# Altium PCB PCB1.PcbDoc
Units mil, origin at the board's own origin, x right, y up, seen from the top; angles counter-clockwise.
Board outline 7505 x 5155 mil, 2 copper layers (Top Layer, Bottom Layer); 249 components, 217 nets, 881 pads, 0 vias.
Unrouted connection lines stored in the file: 624.
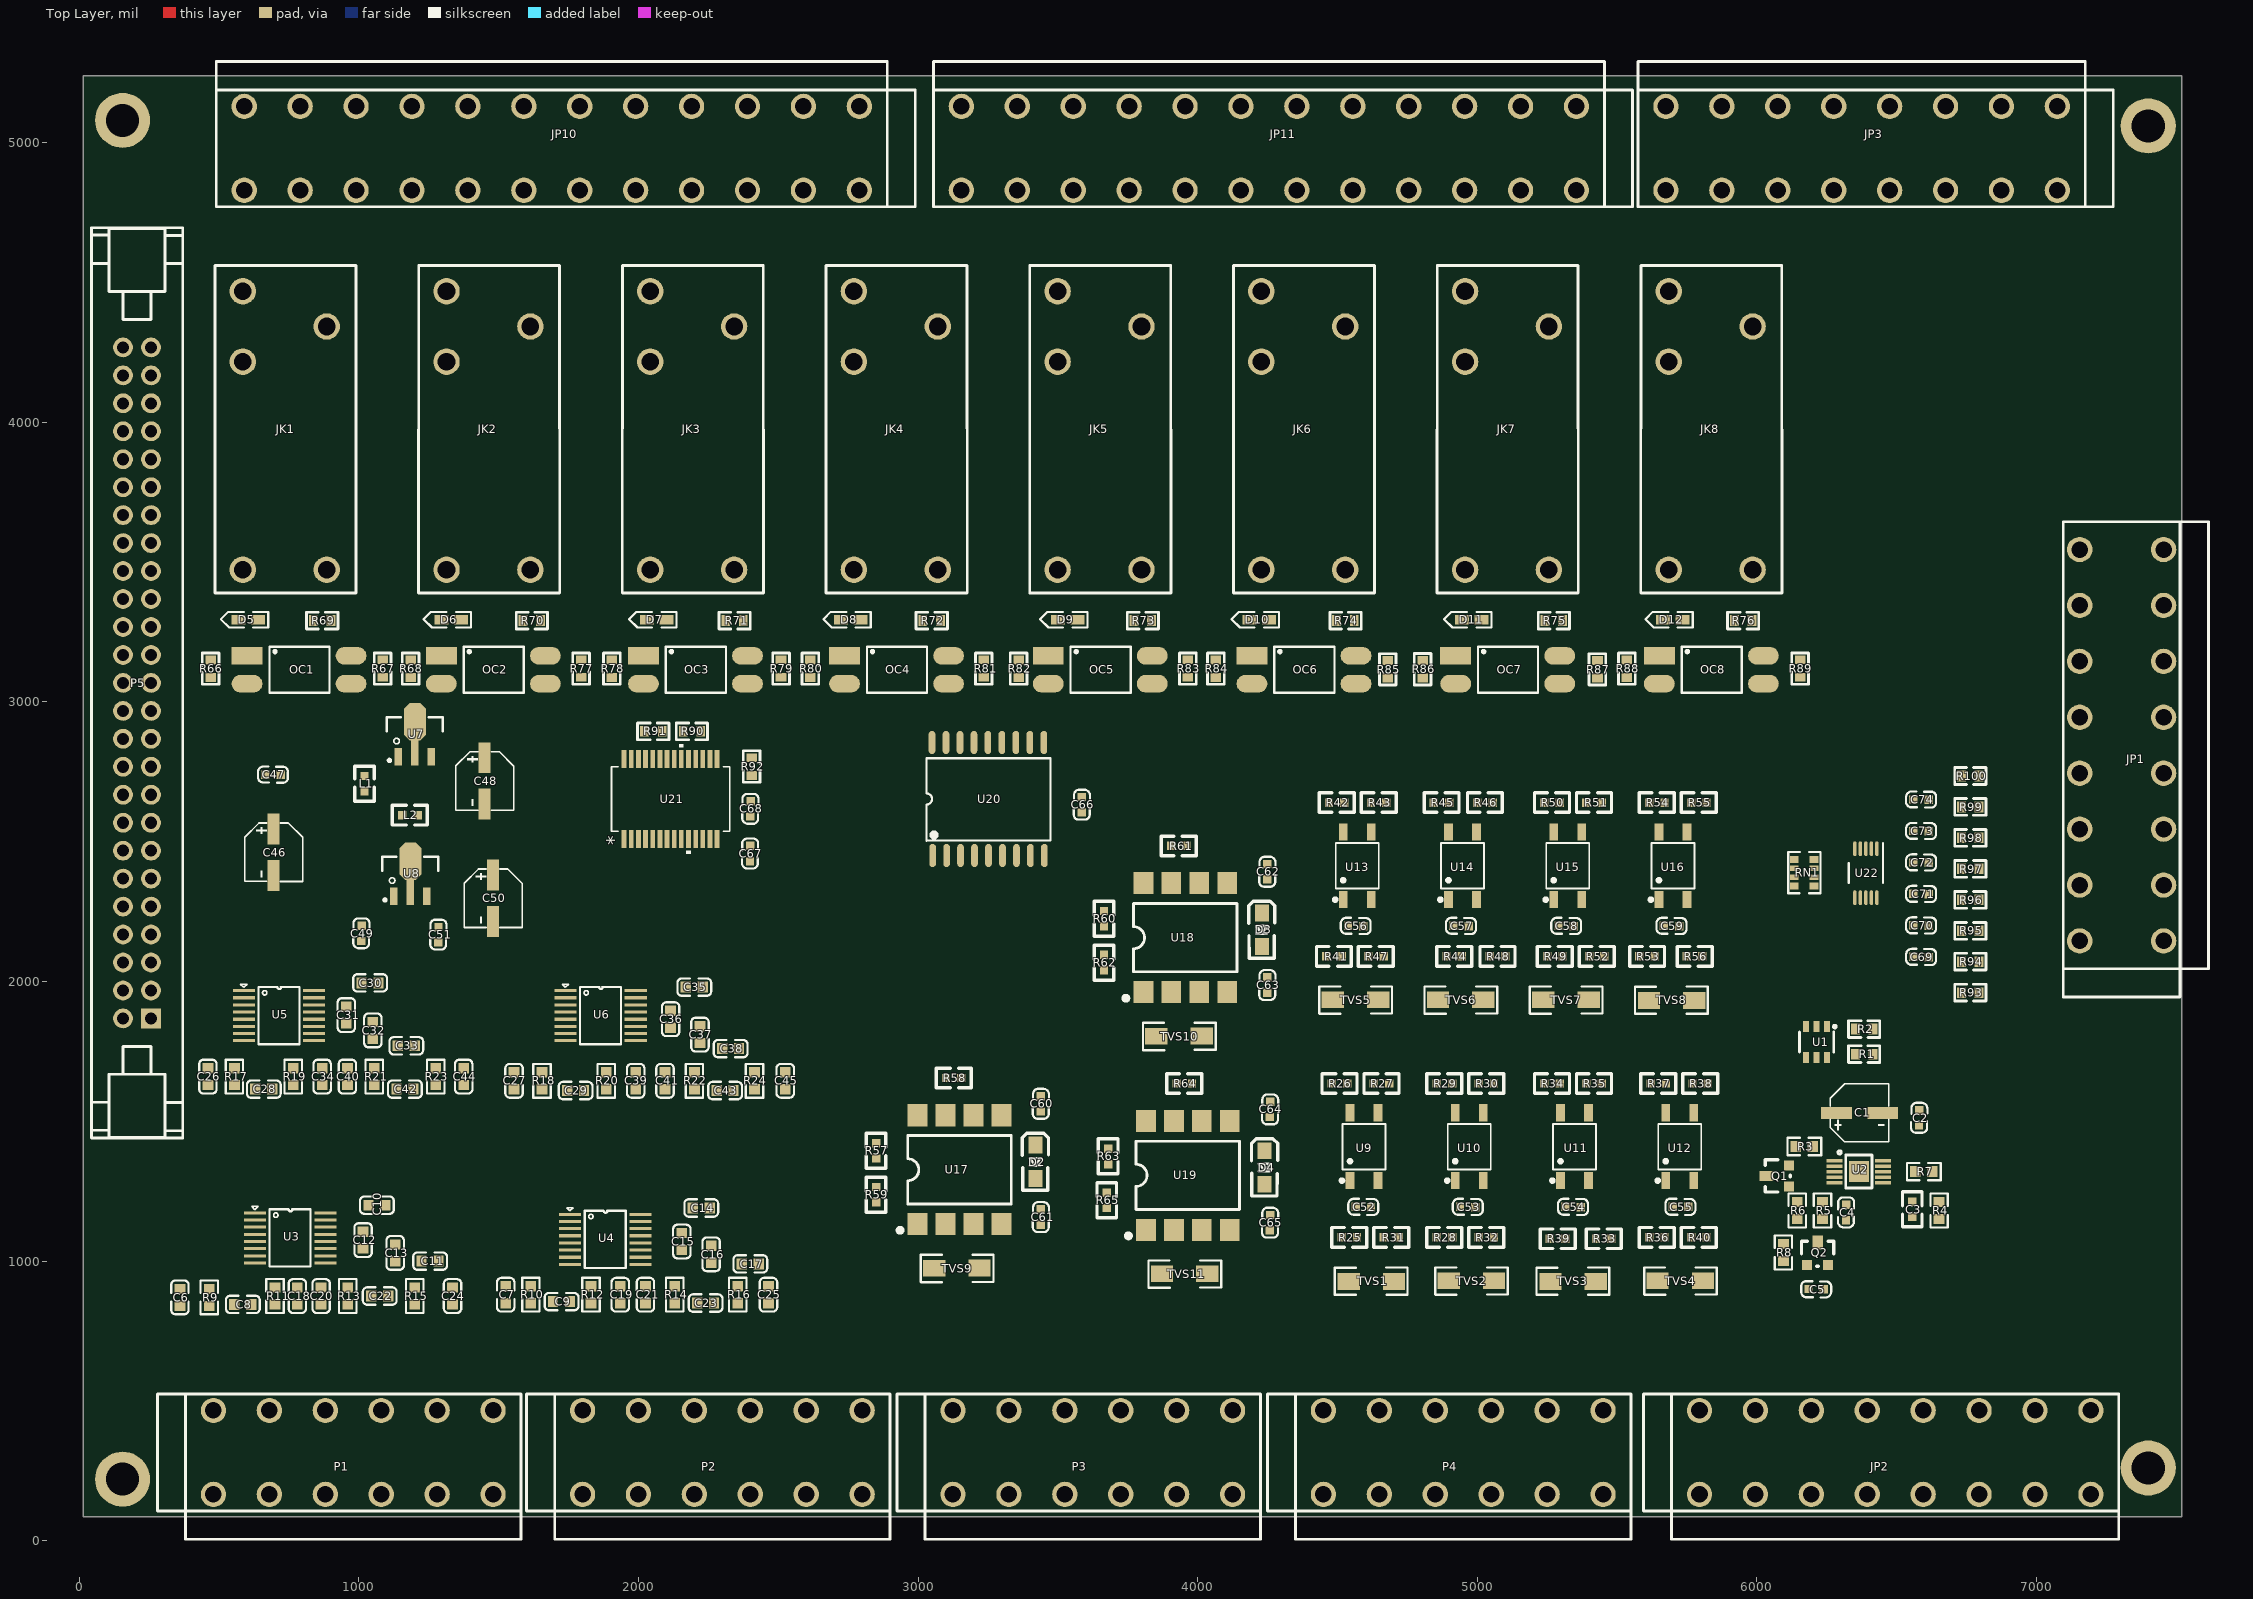
[diagram p0: Top Layer view]
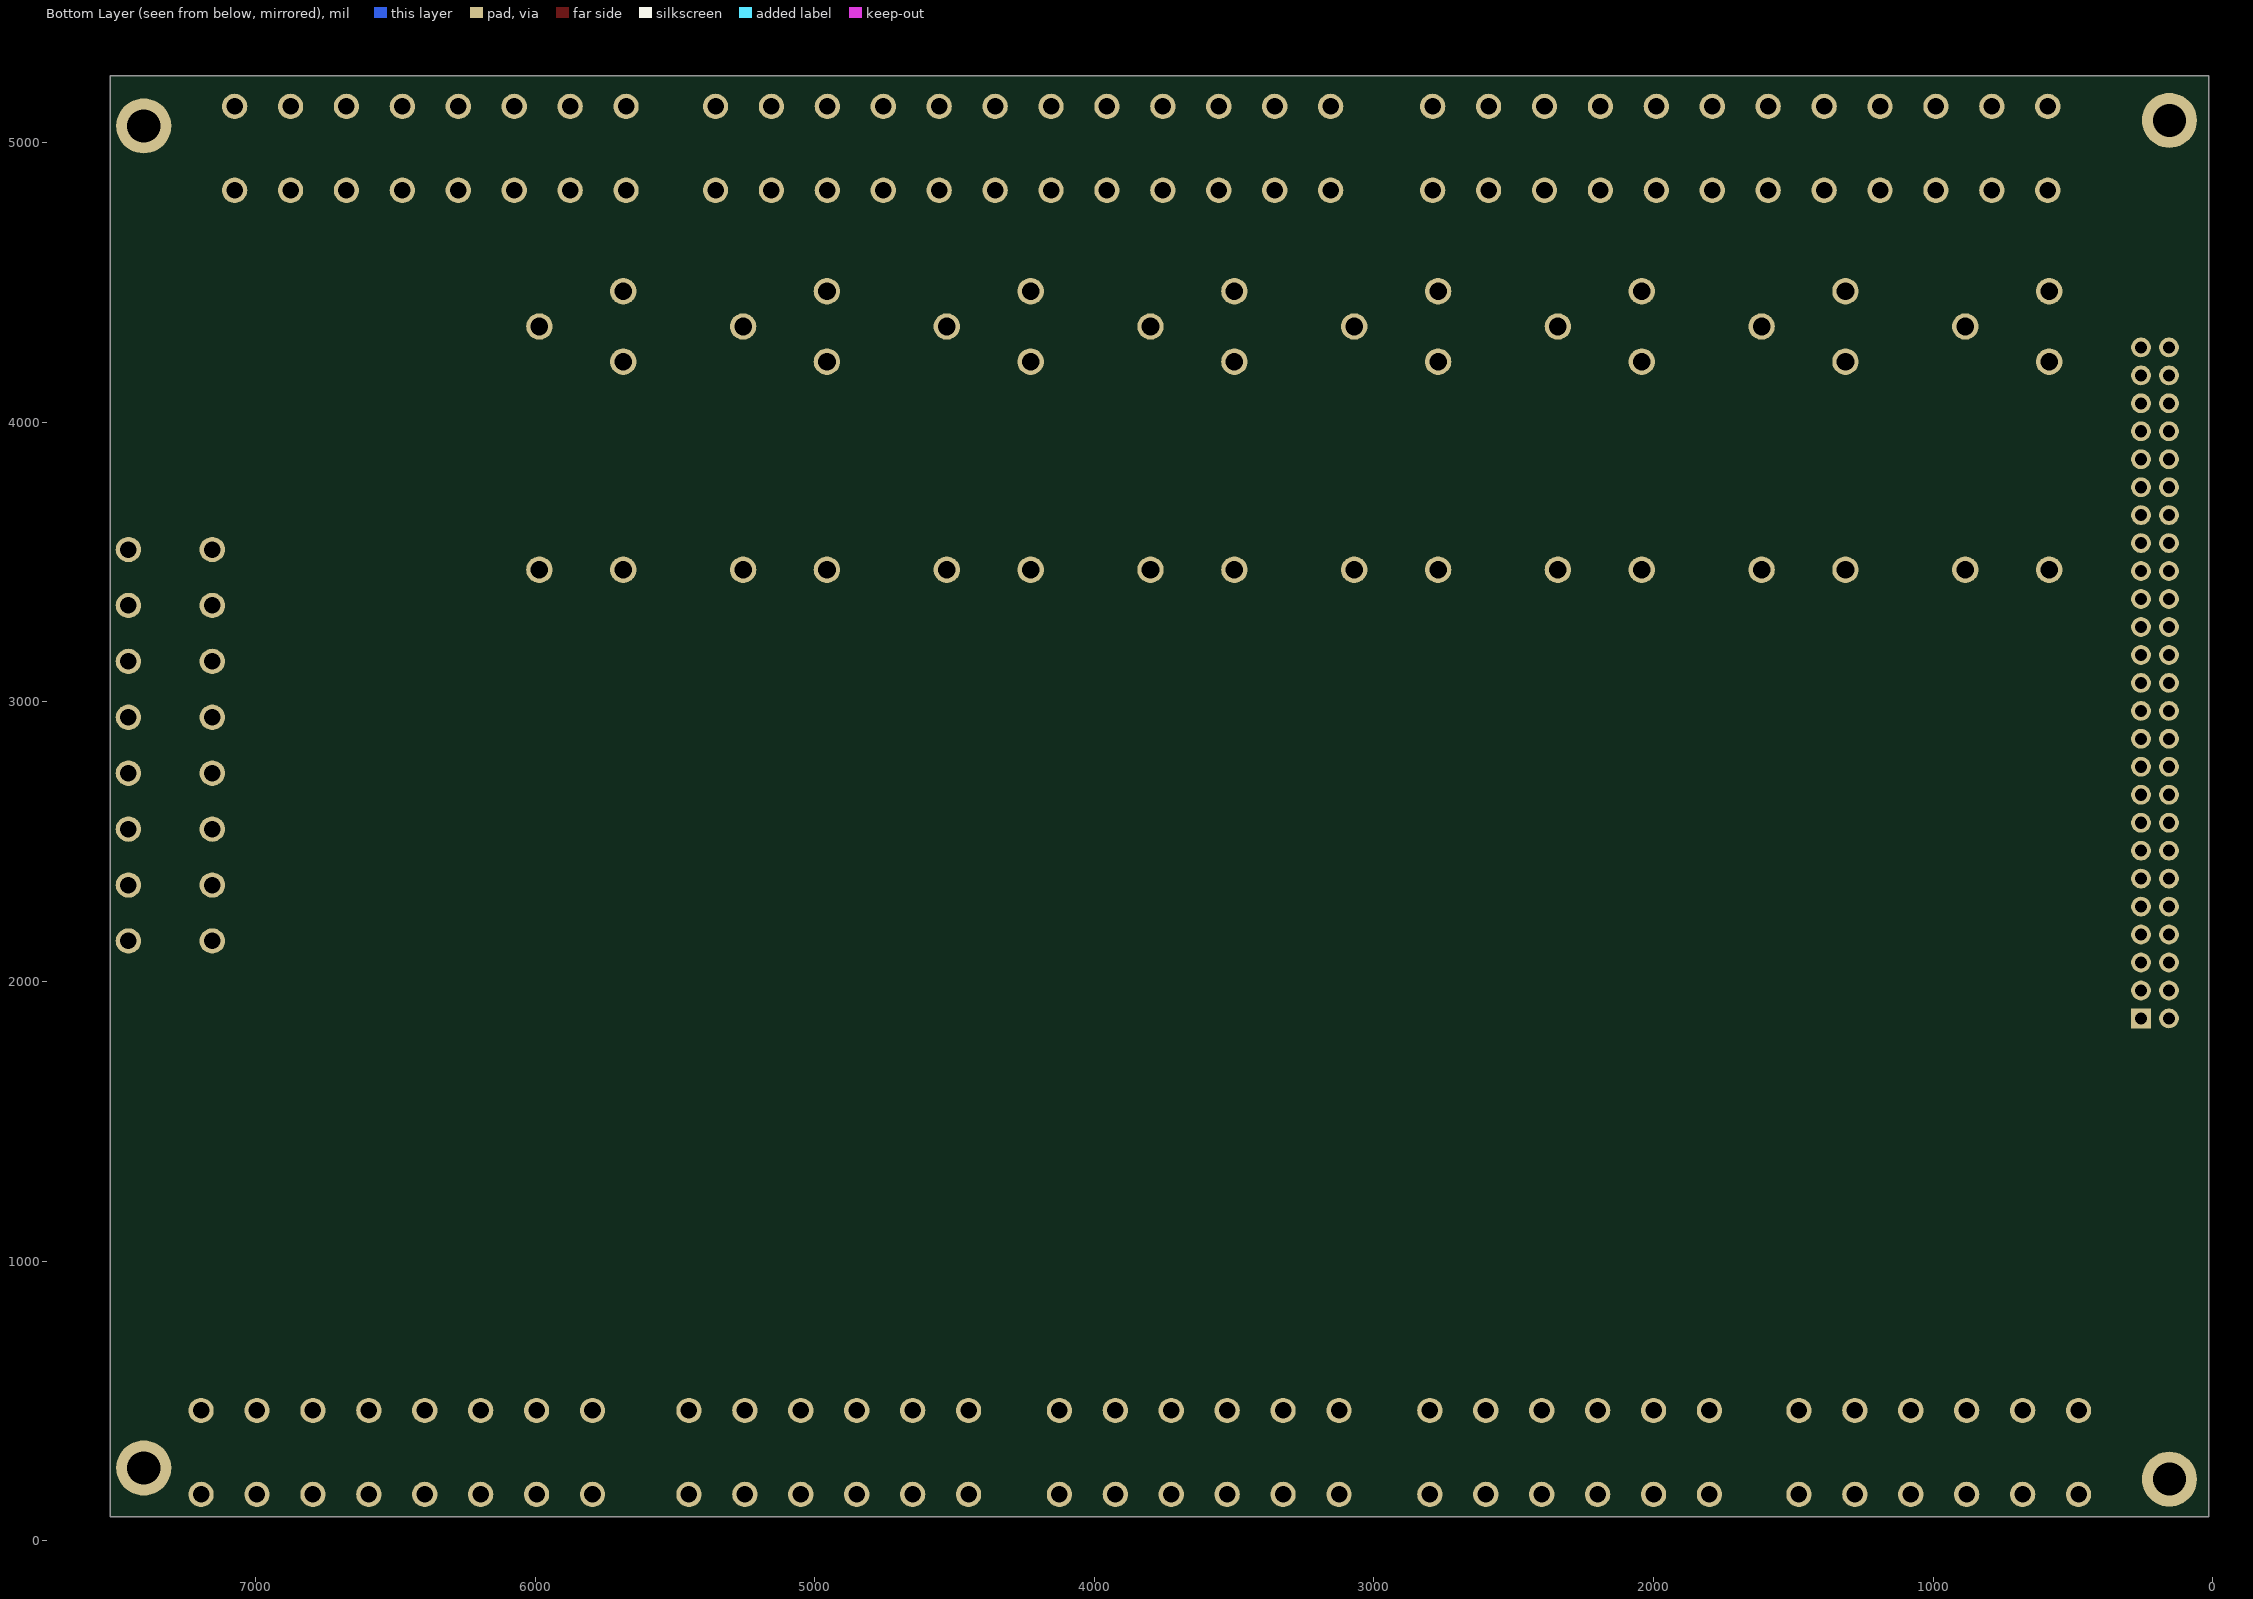
[diagram p1: Bottom Layer view, seen from below]

## Layer stack, top to bottom
Top Solder: solder mask 0.4, Solder Resist, Dk 3.5
Top Layer: signal copper 1.4
Dielectric 1: dielectric 12.6, FR-4, Dk 4.8
Bottom Layer: signal copper 1.4
Bottom Solder: solder mask 0.4, Solder Resist, Dk 3.5

## Board outline
15,85 15,5240 7520,5240 7520,85

## Design rules (kind name [scope] priority, off if disabled: settings)
Clearance [All] p1: gap=5 ignorepadtopadclearanceinfootprint=FALSE
PolygonConnect [All] p1: connectstyle=Relief reliefconductorwidth=10 reliefentries=4 polygonreliefangle="90 Angle" airgapwidth=10
RoutingVias [All] p1: holewidth=28 width=50 viastyle="Through Hole" minholewidth=28 minwidth=50 maxholewidth=28 maxwidth=50
SolderMaskExpansion [All] p1: expansion=4 istentingtop=FALSE
Width [All] p1: maxlimit=10 minlimit=10 preferedwidth=10
30 further rules are at their usual default settings.

## Classes and differential pairs
component class Power: C46 C47 C48 C49 C50 C51 L1 L2 U7 U8
component class DOut: C66 C67 C68 D5 D6 D7 D8 D9 D10 D11 D12 JK1 JK2 JK3 JK4 JK5 JK6 JK7 JK8 JP10 JP11 OC1 OC2 OC3 OC4 OC5 OC6 OC7 OC8 R66 R67 R68 R69 R70 R71 R72 R73 R74 R75 R76 R77 R78 R79 R80 R81 R82 R83 R84 R85 R86 R87 R88 R89 R90 R91 R92 U20 U21
component class DIn: C52 C53 C54 C55 C56 C57 C58 C59 C60 C61 C62 C63 C64 C65 D2 D3 D4 JP2 JP3 R25 R26 R27 R28 R29 R30 R31 R32 R33 R34 R35 R36 R37 R38 R39 R40 R41 R42 R43 R44 R45 R46 R47 R48 R49 R50 R51 R52 R53 R54 R55 R56 R57 R58 R59 R60 R61 R62 R63 R64 R65 TVS1 TVS2 TVS3 TVS4 TVS5 TVS6 TVS7 TVS8 TVS9 TVS10 TVS11 U9 U10 U11 U12 U13 U14 U15 U16 U17 U18 U19
component class Connect: P5
component class AD_DA: C1 C2 C3 C4 C5 C69 C70 C71 C72 C73 C74 JP1 Q1 Q2 R1 R2 R3 R4 R5 R6 R7 R8 R93 R94 R95 R96 R97 R98 R99 R100 RN1 U1 U2 U22
component class AD7799: C6 C7 C8 C9 C10 C11 C12 C13 C14 C15 C16 C17 C18 C19 C20 C21 C22 C23 C24 C25 C26 C27 C28 C29 C30 C31 C32 C33 C34 C35 C36 C37 C38 C39 C40 C41 C42 C43 C44 C45 P1 P2 P3 P4 R9 R10 R11 R12 R13 R14 R15 R16 R17 R18 R19 R20 R21 R22 R23 R24 U3 U4 U5 U6

## Components (designator, comment, footprint, x,y, rotation, side; value= is the part's Value field where it differs from the comment)
C1 "10uf/30V" CC5.05.4 6229.88,1503.9 r0 top value=100pF
C2 "104" 0603c 6579.65,1484.79 r90 top value=100pF
C3 "130nF" 0603 6556,1157.52 r90 top
C4 "IUF" 0603c 6320.35,1201.67 r270 top value=100pF
C5 "10NF" 0603c 6184.79,900.35 r0 top value=100pF
C6 "CAP" 0603_C 360,870.32 r90 top
C7 "CAP" 0603_C 1525.04,879.69 r270 top
C8 "100nF" 0603_C 585,845 r0 top
C9 "100nF" 0603_C 1725,855 r0 top
C10 "100nF" 0603_C 1064.68,1200 r0 top
C11 "100nF" 0603_C 1254.68,1000 r180 top
C12 "100nF" 0603_C 1015,1075 r90 top
C13 "100nF" 0603_C 1130,1029.33 r90 top
C14 "100nF" 0603_C 2224.68,1190 r0 top
C15 "100nF" 0603_C 2155,1070 r90 top
C16 "100nF" 0603_C 2260,1024.33 r90 top
C17 "100nF" 0603_C 2400,990 r180 top
C18 "CAP" 0603_C 780,875 r90 top
C19 "CAP" 0603_C 1935,879.68 r90 top
C20 "CAP" 0603_C 865,875 r90 top
C21 "CAP" 0603_C 2025,879.68 r90 top
C22 "100nF" 0603_C 1074.68,875 r180 top
C23 "100nF" 0603_C 2240.32,850 r0 top
C24 "CAP" 0603_C 1335,875 r90 top
C25 "CAP" 0603_C 2465,879.68 r90 top
C26 "CAP" 0603_C 460,1659.68 r90 top
C27 "CAP" 0603_C 1555,1645 r90 top
C28 "100nF" 0603_C 660,1615 r180 top
C29 "100nF" 0603_C 1775.32,1610 r0 top
C30 "100nF" 0603_C 1040,1995 r180 top
C31 "100nF" 0603_C 955,1880 r90 top
C32 "100nF" 0603_C 1050,1825 r90 top
C33 "100nF" 0603_C 1169.68,1770 r180 top
C34 "CAP" 0603_C 868.83,1659.68 r90 top
C35 "100nF" 0603_C 2199.68,1980 r180 top
C36 "100nF" 0603_C 2115,1865 r90 top
C37 "100nF" 0603_C 2220,1810 r270 top
C38 "100nF" 0603_C 2329.68,1760 r180 top
C39 "CAP" 0603_C 1990,1645 r90 top
C40 "CAP" 0603_C 958.91,1659.68 r90 top
C41 "CAP" 0603_C 2095,1645 r90 top
C42 "100nF" 0603_C 1164.68,1615 r180 top
C43 "100nF" 0603_C 2310,1610 r180 top
C44 "CAP" 0603_C 1375,1659.68 r90 top
C45 "CAP" 0603_C 2525,1645 r90 top
C46 "6.3V 470uF" CC5.05.4 668.9,2600.12 r270 top
C47 "104" 0603C 720.21,2738.65 r180 top value=100pF
C48 "6.3V 470uF" CC5.05.4 1423.9,2855.12 r270 top
C49 "104" 0603C 1010,2200 r270 top value=100pF
C50 "6.3V 470uF" CC5.05.4 1453.9,2435.46 r270 top
C51 "104" 0603C 1285.35,2195.21 r270 top value=100pF
C52 "100nF" 0603C 4620.21,1192.64 r180 top value=104
C53 "100nF" 0603C 4993.7,1192.64 r180 top value=104
C54 "100nF" 0603C 5370.12,1192.64 r180 top value=104
C55 "100nF" 0603C 5699.32,1195.35 r0 top value=104
C56 "100nF" 0603C 4592.98,2197.64 r180 top value=104
C57 "100nF" 0603C 4969.41,2197.64 r180 top value=104
C58 "100nF" 0603C 5345.84,2197.64 r180 top value=104
C59 "100nF" 0603C 5722.27,2197.64 r180 top value=104
C60 "100nF" 0603C 3438.07,1535 r90 top value=104
C61 "100nF" 0603C 3438.07,1129.79 r90 top value=104
C62 "100nF" 0603C 4248.07,2365 r90 top value=104
C63 "100nF" 0603C 4248.07,1959.79 r90 top value=104
C64 "100nF" 0603C 4258.07,1515 r90 top value=104
C65 "100nF" 0603C 4258.07,1109.79 r90 top value=104
C66 "100nF" 0603C 3584.65,2604.79 r90 top value=104
C67 "100nF" 0603C 2400.35,2485.21 r270 top value=104
C68 "100nF" 0603C 2401.35,2645.21 r270 top value=104
C69 "0.1uf" 0603c 6615.15,2086.58 r180 top
C70 "0.1uf" 0603c 6615.15,2199.2 r180 top
C71 "1uf" 0603c 6615.15,2311.81 r180 top
C72 "1uf" 0603c 6615.15,2424.42 r180 top
C73 "0.1uf" 0603c 6615.15,2537.03 r180 top
C74 "0.1uf" 0603c 6615.15,2649.65 r180 top
D2 "DIODE" 贴片二极管 3420,1295 r90 top
D3 "DIODE" 贴片二极管 4230,2125 r90 top
D4 "DIODE" 贴片二极管 4240,1275 r90 top
D5 "LED" LED-0603G 640,3294.26 r180 top
D6 "LED" LED-0603G 1365,3294.26 r180 top
D7 "LED" LED-0603G 2100,3294.26 r180 top
D8 "LED" LED-0603G 2795,3294.26 r180 top
D9 "LED" LED-0603G 3570,3294.26 r180 top
D10 "LED" LED-0603G 4255,3294.26 r180 top
D11 "LED" LED-0603G 5015,3294.26 r180 top
D12 "LED" LED-0603G 5735,3294.26 r180 top
JK1 "JS-12-K" JS-12-K 585,3475 r90 top
JK2 "JS-12-K" JS-12-K 1313.57,3475 r90 top
JK3 "JS-12-K" JS-12-K 2042.14,3475 r90 top
JK4 "JS-12-K" JS-12-K 2770.71,3475 r90 top
JK5 "JS-12-K" JS-12-K 3499.28,3475 r90 top
JK6 "JS-12-K" JS-12-K 4227.86,3475 r90 top
JK7 "JS-12-K" JS-12-K 4956.43,3475 r90 top
JK8 "JS-12-K" JS-12-K 5685,3475 r90 top
JP1 "DB142V-5.08-8P" DB142V-5.08-8P 7155.64,2140 r90 top
JP2 "DB142V-5.08-8P" DB142V-5.08-8P 5790,465 r0 top
JP3 "DB142V-5.08-8P" DB142V-5.08-8P 7080,4830.64 r180 top
JP10 "弹簧端子" DB142V-5.08-12P 2790,4830 r180 top
JP11 "弹簧端子" DB142V-5.08-12P 5355,4830 r180 top
L1 "60R" 0603 1020,2735 r270 top
L2 "60R" 0603 1210,2595 r180 top
OC1 "EL817A" SMD_PC817 600,3165 r0 top
OC2 "EL817A" SMD_PC817 1295,3165 r0 top
OC3 "EL817A" SMD_PC817 2017.88,3165 r0 top
OC4 "EL817A" SMD_PC817 2737.15,3165 r0 top
OC5 "EL817A" SMD_PC817 3465.72,3165 r0 top
OC6 "EL817A" SMD_PC817 4194.3,3165 r0 top
OC7 "EL817A" SMD_PC817 4922.87,3165 r0 top
OC8 "EL817A" SMD_PC817 5651.44,3165 r0 top
P1 "CON6" DB142V-5.08-6P 480,465 r0 top
P2 "CON6" DB142V-5.08-6P 1800,465 r0 top
P3 "CON6" DB142V-5.08-6P 3125,465 r0 top
P4 "CON6" DB142V-5.08-6P 4450,465 r0 top
P5 "Header 24X2" HDR2X24 260,1870 r90 top
Q1 "SS8550" SOT-23 6035,1307 r90 top
Q2 "SI2309" SOT-23 6220,1066.04 r0 top
R1 "500R" 0603r 6352.5,1739.89 r0 top value=1K
R2 "500R" 0603r 6352.5,1829.89 r0 top value=1K
R3 "15R" 0603_R 6169.68,1410 r0 top value=1K
R4 "10K" 0603_R 6652.04,1180.89 r90 top value=1K
R5 "5.6K/1%" 0603_R 6234.96,1180.89 r270 top value=1K
R6 "8.2K/1%" 0603_R 6144.88,1180.89 r270 top value=1K
R7 "2K/1%" 0603_R 6597.25,1319.96 r0 top value=1K
R8 "15R" 0603_R 6095,1030.67 r90 top value=1K
R9 "0R" 0603_R 465,870 r270 top
R10 "0R" 0603_R 1615.12,879.69 r270 top
R11 "0R" 0603_R 700,875 r90 top
R12 "0R" 0603_R 1830.2,879.69 r270 top
R13 "0R" 0603_R 960,875 r90 top
R14 "0R" 0603_R 2130,879.69 r270 top
R15 "0R" 0603_R 1200,875 r90 top
R16 "0R" 0603_R 2355,879.69 r270 top
R17 "0R" 0603_R 555,1659.68 r90 top
R18 "0R" 0603_R 1655,1645 r270 top
R19 "0R" 0603_R 765,1659.68 r90 top
R20 "0R" 0603_R 1885,1645 r270 top
R21 "0R" 0603_R 1055,1659.68 r90 top
R22 "0R" 0603_R 2200,1645 r270 top
R23 "0R" 0603_R 1275,1659.68 r270 top
R24 "0R" 0603_R 2415,1645 r90 top
R25 "10K" 0603 4515,1085 r0 top
R26 "10K" 0603 4535,1635 r180 top
R27 "10K" 0603 4685,1635 r180 top
R28 "10K" 0603 4855,1085 r0 top
R29 "10K" 0603 4855,1635 r0 top
R30 "10K" 0603 5005,1635 r0 top
R31 "10K" 0603 4665,1085 r0 top
R32 "10K" 0603 5005,1085 r0 top
R33 "10K" 0603 5425,1080 r0 top
R34 "10K" 0603 5240,1635 r0 top
R35 "10K" 0603 5390,1635 r0 top
R36 "10K" 0603 5615,1085 r0 top
R37 "10K" 0603 5620,1635 r0 top
R38 "10K" 0603 5770,1635 r0 top
R39 "10K" 0603 5260,1080 r0 top
R40 "10K" 0603 5765,1085 r0 top
R41 "10K" 0603 4460,2090 r0 top
R42 "10K" 0603 4470,2640 r0 top
R43 "10K" 0603 4620,2640 r0 top
R44 "10K" 0603 4890,2090 r0 top
R45 "10K" 0603 4845,2640 r0 top
R46 "10K" 0603 5000,2640 r0 top
R47 "10K" 0603 4610,2090 r0 top
R48 "10K" 0603 5045,2090 r0 top
R49 "10K" 0603 5250,2090 r0 top
R50 "10K" 0603 5240,2640 r0 top
R51 "10K" 0603 5390,2640 r0 top
R52 "10K" 0603 5400,2090 r0 top
R53 "10K" 0603 5580,2090 r0 top
R54 "10K" 0603 5615,2640 r0 top
R55 "10K" 0603 5765,2640 r0 top
R56 "10K" 0603 5750,2090 r0 top
R57 "10K" 0603 2850,1367 r90 top
R58 "10K" 0603 3155,1655 r180 top
R59 "10K" 0603 2850,1210 r90 top
R60 "10K" 0603 3665,2197 r90 top
R61 "10K" 0603 3905,2485 r0 top
R62 "10K" 0603 3665,2040 r90 top
R63 "10K" 0603 3680,1347 r90 top
R64 "10K" 0603 3925,1635 r0 top
R65 "10K" 0603 3675,1190 r90 top
R66 "500R" 0603r 470,3150 r270 top value=1K
R67 "4.7K" 0603R 1085,3088 r90 top value=1K
R68 "500R" 0603r 1185,3150 r270 top value=1K
R69 "680R" 0603r 900,3291 r180 top value=1K
R70 "680R" 0603r 1650,3291 r180 top value=1K
R71 "680R" 0603r 2375,3291 r180 top value=1K
R72 "680R" 0603r 3080,3291 r180 top value=1K
R73 "680R" 0603r 3835,3291 r180 top value=1K
R74 "680R" 0603r 4560,3291 r180 top value=1K
R75 "680R" 0603r 5305,3291 r180 top value=1K
R76 "680R" 0603r 5920,3291 r0 top value=1K
R77 "4.7K" 0603R 1795,3088 r90 top value=1K
R78 "500R" 0603r 1905,3150 r270 top value=1K
R79 "4.7K" 0603R 2510,3088 r90 top value=1K
R80 "500R" 0603r 2615,3150 r270 top value=1K
R81 "4.7K" 0603R 3235,3088 r90 top value=1K
R82 "500R" 0603r 3360,3150 r270 top value=1K
R83 "4.7K" 0603R 3965,3088 r90 top value=1K
R84 "500R" 0603r 4065,3150 r270 top value=1K
R85 "4.7K" 0603R 4680,3085 r90 top value=1K
R86 "500R" 0603r 4805,3147.99 r270 top value=1K
R87 "4.7K" 0603R 5430,3085 r90 top value=1K
R88 "500R" 0603r 5535,3150 r270 top value=1K
R89 "4.7K" 0603R 6155,3088 r90 top value=1K
R90 "500R" 0603r 2160,2895 r0 top value=1K
R91 "500R" 0603r 2022.01,2895 r0 top value=1K
R92 "500R" 0603r 2405,2800 r270 top value=1K
R93 "1M" 0603r 6795,1960 r180 top
R94 "1M" 0603r 6795,2070.71 r180 top
R95 "500" 0603r 6795,2181.43 r180 top
R96 "500" 0603r 6795,2292.14 r180 top
R97 "500" 0603r 6795,2402.86 r180 top
R98 "500" 0603r 6795,2513.57 r180 top
R99 "1M" 0603r 6795,2624.29 r180 top
R100 "1M" 0603r 6795,2735 r180 top
RN1 "排阻" RES_Network 6133.54,2436.82 r270 top
TVS1 "TVS" TVS 4490.44,976.49 r0 top
TVS2 "TVS" TVS 5109.56,880.49 r180 top
TVS3 "TVS" TVS 5212.44,976.49 r0 top
TVS4 "TVS" TVS 5857,880.49 r180 top
TVS5 "TVS" TVS 4695.3,1885.49 r180 top
TVS6 "TVS" TVS 5071.73,1885.49 r180 top
TVS7 "TVS" TVS 5448.16,1885.49 r180 top
TVS8 "TVS" TVS 5564.59,1981.49 r0 top
TVS9 "TVS" TVS 3269.56,925.49 r180 top
TVS10 "TVS" TVS 4064.56,1755.49 r180 top
TVS11 "TVS" TVS 4084.56,905.49 r180 top
U1 "MCP4725" MCP4725 6269.01,1728.89 r90 top
U2 "XTR111" XTR111 6294.82,1389.77 r270 top
U3 "AD7799" TSSOP16 628.03,1172.36 r0 top
U4 "AD7799" TSSOP16 1755,1167.36 r0 top
U5 "AD7799" TSSOP16 588.37,1967.36 r0 top
U6 "AD7799" TSSOP16 1738.37,1967.36 r0 top
U7 "HT7533-1" SOT89_M 1200,2885 r0 top
U8 "HT7533-1" SOT89_M 1184,2386 r0 top
U9 "IS181GB" TLP181 4674.82,1329.58 r90 top
U10 "IS181GB" TLP181 5051.25,1329.58 r90 top
U11 "IS181GB" TLP181 5427.68,1329.58 r90 top
U12 "IS181GB" TLP181 5804.1,1329.58 r90 top
U13 "IS181GB" TLP181 4650.53,2334.58 r90 top
U14 "IS181GB" TLP181 5026.96,2334.58 r90 top
U15 "IS181GB" TLP181 5403.39,2334.58 r90 top
U16 "IS181GB" TLP181 5779.82,2334.58 r90 top
U17 "PS8601" SMD-8_6.3mm 3148.35,1326.75 r0 top
U18 "PS8601" SMD-8_6.3mm 3955.85,2156.75 r0 top
U19 "PS8601" SMD-8_6.3mm 3965,1306.75 r0 top
U20 "ULN2803A" "SOP18 - 300mil" 3052,2448.81 r90 top
U21 "MCP23017-E/SS" SSOP28_MC_MCH 2115,2652.81 r90 top
U22 "Ads1118" ads1118 6320,2512.4 r270 top

## Footprints (in the part's own frame and the unit in brackets; to place one, negate y for a bottom-side part, rotate by r counter-clockwise, add the part's x,y. Pads: shape width x height; smd on the part's side, far side on the other; paste and mask are expansions set on the pad)
0603 [mil]
  rect 30x30 smd: 1(0,0) 2(55,0)
  silkscreen extent -35,-35 90,35
0603_C [mm]
  rect 0.93x0.98 smd: 1(-0.77,0) 2(0.77,0)
  silkscreen extent -1.53,-0.79 1.54,0.79, body extent -0.8,-0.4 0.8,0.4, height 0.3
0603_R [mm]
  rect 0.93x0.98 smd: 1(-0.77,0) 2(0.77,0)
  silkscreen extent -1.53,-0.79 1.54,0.79, body extent -0.85,-0.4 0.85,0.4, height 0.56
0603c [mil]
  rect 30x30 smd: 1(0.21,-0.35) 2(55.21,-1.35)
  silkscreen extent -26,-30 81,28, body extent -1,-15 62,17, height 12
0603C [mil]
  rect 30x30 smd: 1(0.21,-0.35) 2(55.21,-1.35)
  silkscreen extent -26,-30 81,28, body extent -1,-15 62,17, height 12
0603r [mm]
  rect 0.8x0.965 smd: 1(0,0) 2(1.6,0)
  silkscreen extent -0.64,-0.76 2.21,0.76, body extent -0.04,-0.41 1.56,0.41, height 0.45
0603R [mm]
  rect 0.8x0.965 smd: 1(0,0) 2(1.6,0)
  silkscreen extent -0.64,-0.76 2.21,0.76, body extent -0.04,-0.41 1.56,0.41, height 0.45
ads1118 [mm]
  oval 1.35x0.3 smd paste+0 mask+0.051: 1(0.95,2.778) 2(0.95,2.278) 3(0.95,1.778) 4(0.95,1.278) 5(0.95,0.778) 6(5.4,0.778) 7(5.4,1.278) 8(5.4,1.778) 9(5.4,2.278) 10(5.4,2.778)
  silkscreen extent 0.43,0.23 4.08,3.33, body extent 0.59,0.4 5.51,3.4, height 0.41
CC5.05.4 [mm]
  rect 2.8x1.1 smd: 1(1.4,0.663) 2(5.6,0.663)
  silkscreen extent 0.84,-1.96 6.16,3.31
DB142V-5.08-6P [mm]
  round 2.3 hole 1.5: 1(0,-7.604) 1(0,0.016) 2(5.08,-7.604) 2(5.08,0.016) 3(10.16,-7.604) 3(10.16,0.016) 4(15.24,-7.604) 4(15.24,0.016) 5(20.32,-7.604) 5(20.32,0.016) 6(25.4,-7.604) 6(25.4,0.016)
  silkscreen extent -5.08,-11.68 27.93,1.52
DB142V-5.08-8P [mm]
  round 2.3 hole 1.5: 1(0.127,0.016) 1(0.127,-7.604) 2(5.207,0.016) 2(5.207,-7.604) 3(10.287,-7.604) 3(10.287,0.016) 4(15.367,-7.604) 4(15.367,0.016) 5(20.447,-7.604) 5(20.447,0.016) 6(25.527,-7.604) 6(25.527,0.016) 7(30.607,-7.604) 7(30.607,0.016) 8(35.687,-7.604) 8(35.687,0.016)
  silkscreen extent -4.95,-11.68 38.22,1.52
DB142V-5.08-12P [mm]
  round 2.3 hole 1.5: 1(0,0) 1(0,-7.62) 2(5.08,0) 2(5.08,-7.62) 3(10.16,0) 3(10.16,-7.62) 4(15.24,-7.62) 4(15.24,0) 5(20.32,-7.62) 5(20.32,0) 6(25.4,-7.62) 6(25.4,0) 7(30.48,-7.62) 7(30.48,0) 8(35.56,-7.62) 8(35.56,0) 9(40.64,-7.62) 9(40.64,0) 10(45.72,-7.62) 10(45.72,0) 11(50.8,-7.62) 11(50.8,0) 12(55.88,-7.62) 12(55.88,0)
  silkscreen extent -5.08,-11.7 58.42,1.5
HDR2X24 [mm]
  rect 1.8x1.8 hole 1.1: 1(-0.052,0.086)
  round 1.8 hole 1.1: 2(-0.052,2.626) 3(2.488,0.086) 4(2.488,2.626) 5(5.028,0.086) 6(5.028,2.626) 7(7.568,0.086) 8(7.568,2.626) 9(10.108,0.086) 10(10.108,2.626) 11(12.648,0.086) 12(12.648,2.626) 13(15.188,0.086) 14(15.188,2.626) 15(17.728,0.086) 16(17.728,2.626) 17(20.268,0.086) 18(20.268,2.626) 19(22.808,0.086) 20(22.808,2.626) 21(25.348,0.086) 22(25.348,2.626) 23(27.888,0.086) 24(27.888,2.626) 25(30.428,0.086) 26(30.428,2.626) 27(32.968,0.086) 28(32.968,2.626) 29(35.508,0.086) 30(35.508,2.626) 31(38.048,0.086) 32(38.048,2.626) 33(40.588,0.086) 34(40.588,2.626) 35(43.128,0.086) 36(43.128,2.626) 37(45.668,0.086) 38(45.668,2.626) 39(48.208,0.086) 40(48.208,2.626) 41(50.748,0.086) 42(50.748,2.626) 43(53.288,0.086) 44(53.288,2.626) 45(55.828,0.086) 46(55.828,2.626) 47(58.368,0.086) 48(58.368,2.626) 49(60.908,0.086) 50(60.908,2.626)
  silkscreen extent -10.92,-2.79 71.78,5.51
JS-12-K [mm]
  round 2.4 hole 1.6: 1(25.241,0) 2(18.841,0) 3(-0.059,0) 4(-0.059,-7.62) 5(22.041,-7.62)
  silkscreen extent -2.16,-10.29 27.59,2.54
LED-0603G [mil]
  rect 50x35 smd: 1(0,0.26) 2(70,0.26)
  silkscreen extent -36,-28 134,28, body extent 4,-15 66,17, height 24
MCP4725 [mm]
  rect 1x0.55 smd: 1(2.792,0.447) 2(2.792,1.397) 3(2.792,2.347) 4(-0.008,2.347) 5(-0.008,1.397) 6(-0.008,0.447)
  silkscreen extent 0.49,-0.38 2.92,2.95
RES_Network [mm]
  rect 0.65x0.8 smd: 1(0.008,0.015) 4(2.408,0.015) 5(2.408,1.815) 8(0.008,1.815)
  rect 0.5x0.8 smd: 2(0.808,0.015) 3(1.608,0.015) 6(1.608,1.815) 7(0.808,1.815)
  silkscreen extent -0.66,-0.54 3.08,2.39
SMD-8_6.3mm [mm]
  rect 1.8x2 smd: 1(-3.81,-4.95) 2(-1.27,-4.95) 3(1.27,-4.95) 4(3.81,-4.95) 5(3.81,4.95) 6(1.27,4.95) 7(-1.27,4.95) 8(-3.81,4.95)
  silkscreen extent -5.6,-5.7 4.7,3.1
SMD_PC817 [mm]
  rect 2.8x1.6 smd mask+0: 1(0,0)
  oval 2.8x1.6 smd mask+0: 2(0,-2.54) 3(9.452,-2.54) 4(9.452,0)
  silkscreen extent 2.03,-3.36 7.49,0.82, body extent -0.3,-3.56 9.7,1.02, height 3.85
"SOP18 - 300mil" [mm]
  oval 2.1x0.6 smd: 1(0.046,0) 2(0.046,-1.27) 3(0.046,-2.54) 4(0.046,-3.81) 5(0.046,-5.08) 6(0.046,-6.35) 7(0.046,-7.62) 8(0.046,-8.89) 9(0.046,-10.16) 10(10.317,-10.109) 11(10.317,-8.839) 12(10.317,-7.569) 13(10.317,-6.299) 14(10.317,-5.029) 15(10.317,-3.759) 16(10.317,-2.489) 17(10.317,-1.219) 18(10.317,0.051)
  silkscreen extent 1.4,-10.72 8.9,0.56
SOT89_M [mm] "4.6x4.3x1.6mm(长宽高)"
  rect 0.7x1.6 smd: 1(-1.5,-2.054) 3(1.5,-2.054)
  rect 0.7x2.4 smd: 2(0,-1.676)
  oct 2x3.4 smd: 2(0.025,1.118)
  silkscreen extent -2.54,-2.52 2.54,1.52, body extent -2.3,-2.4 2.3,1.9, height 1.6
SOT-23 [mil]
  rect 36x36 smd: 1(-40,-80) 2(35,-80)
  rect 36x50 smd: 3(-2,0)
  silkscreen extent -60,-85 55,5
SSOP28_MC_MCH [mil]
  rect 65.18x17 smd paste+0 mask+0: 1(-142.83,166.34) 2(-142.83,140.75) 3(-142.83,115.16) 4(-142.83,89.57) 5(-142.83,63.98) 6(-142.83,38.39) 7(-142.83,12.8) 8(-142.83,-12.8) 9(-142.83,-38.39) 10(-142.83,-63.98) 11(-142.83,-89.57) 12(-142.83,-115.16) 13(-142.83,-140.75) 14(-142.83,-166.34) 15(142.83,-166.34) 16(142.83,-140.75) 17(142.83,-115.16) 18(142.83,-89.57) 19(142.83,-63.98) 20(142.83,-38.39) 21(142.83,-12.8) 22(142.83,12.8) 23(142.83,38.39) 24(142.83,63.98) 25(142.83,89.57) 26(142.83,115.16) 27(142.83,140.75) 28(142.83,166.34)
  silkscreen extent -195,-212 195,212, body extent -161,-207 161,207, height 79
TLP181 [mm]
  rect 1.56x0.8 smd: 1(-1.062,3.297) 2(-1.062,0.757) 3(5.098,0.757) 4(5.098,3.297)
  silkscreen extent -1.21,0.08 4.09,4.18
TSSOP16 [mm]
  rect 2x0.28 smd: 1(0,0) 2(0,-0.65) 3(0,-1.3) 4(0,-1.95) 5(0,-2.6) 6(0,-3.25) 7(0,-3.9) 8(0,-4.55) 9(6.4,-4.55) 10(6.4,-3.9) 11(6.4,-3.25) 12(6.4,-2.6) 13(6.4,-1.95) 14(6.4,-1.3) 15(6.4,-0.65) 16(6.4,0)
  silkscreen extent -0.3,-4.87 5.06,0.6
TVS [mil]
  rect 80x60 smd: 1(212,-49) 2(49.56,-49.51)
  silkscreen extent 0,-97 260,1
XTR111 [mm]
  rect 0.3x1.45 smd: 1(0.773,-0.418) 2(1.273,-0.418) 3(1.773,-0.418) 4(2.273,-0.418) 5(2.774,-0.418) 6(2.774,3.984) 7(2.273,3.984) 8(1.773,3.984) 9(1.273,3.984) 10(0.773,3.984)
  rect 1.89x1.83 smd: 11(1.772,1.783)
  silkscreen extent -0.13,-0.12 3.27,2.98
贴片二极管 [mil]
  rect 60x50 smd: 1(120,0) 2(0,0)
  silkscreen extent -42,-46 162,47

## Part data
C1: library part "Cap Pol1", "Polarized Capacitor (Radial)", LatestRevisionDate=17-Jul-2002, LatestRevisionNote="Re-released for DXP Platform.", PackageDescription="Polarized Capacitor (Radial); 2 Leads", PackageReference=RB7.6-15, Published=8-Jun-2000, Publisher="Altium Limited"
C2 C4 C5: library part Cap, "Capacitor", LatestRevisionDate=17-Jul-2002, LatestRevisionNote="Re-released for DXP Platform.", PackageDescription="Radial Cap, Thru-Hole; 2 Leads; 0.3 in Pin Spacing", PackageReference=RAD-0.3, Published=8-Jun-2000, Publisher="Altium Limited"
C3 C69 C70 C71 C72 C73 C74: library part "Cap Smd", "Capacitor"
C6 C7 C18 C19 C20 C21 C24 C25 C26 C27 C34 C39 C40 C41 C44 C45: "Capacitor"
C8 C9 C10 C11 C12 C13 C14 C15 C16 C17 C22 C23 C28 C29 C30 C31 C32 C33 C35 C36 C37 C38 C42 C43 C47 C49 C51 C52 C53 C54 C55 C56 C57 C58 C59 C60 C61 C62 C63 C64 C65 C66 C67 C68: library part CAP, "Capacitor"
  C47 C49 C51: LatestRevisionDate=17-Jul-2002, LatestRevisionNote="Re-released for DXP Platform.", PackageDescription="Radial Cap, Thru-Hole; 2 Leads; 0.3 in Pin Spacing", PackageReference=RAD-0.3, Published=8-Jun-2000, Publisher="Altium Limited"
  C52 C53 C54 C55 C56 C57 C58 C59 C60 C61 C62 C63 C64 C65 C66 C67 C68: LatestRevisionDate=17-Jul-2002, LatestRevisionNote="Re-released for DXP Platform.", PackageReference=RAD-0.3, Published=8-Jun-2000, Publisher="Altium Limited"
C46 C48 C50: library part ELECTRO1, "Electrolytic Capacitor"
D2 D3 D4: "Diode"
D5 D6 D7 D8 D9 D10 D11 D12: "LED 发光二极管"
JK1 JK2 JK3 JK4 JK5 JK6 JK7 JK8: "12V一组转换"
JP10 JP11: library part DB142V-5.08-12P
L1 L2: library part FUSE1, "Fuse"
OC1 OC2 OC3 OC4 OC5 OC6 OC7 OC8: library part EL357N, "线性光耦"
P1 P2 P3 P4: "Connector"
P5: "Header, 24-Pin, Dual row", LatestRevisionDate=17-Jul-2002, LatestRevisionNote="Re-released for DXP Platform.", Publisher="Altium Limited"
Q1: library part PNP, "PNP Bipolar Transistor", LatestRevisionDate=29-May-2009, LatestRevisionNote="IPC-7351 Footprint Added.", PackageDescription="3-Pin SOT-23 Package 0.95 mm Pitch, 2.4 mm Lead Span", PackageReference=SOT-23B, PackageVersion=Aug-1999, Published=8-Jun-2000, Publisher="Altium Limited"
Q2: library part MOSFET-P, "P-Channel MOSFET", LatestRevisionDate=17-Jul-2002, LatestRevisionNote="Re-released for DXP Platform.", PackageDescription="TO, Flat Index; 3 In-Line, Axial Leads; Body Dia. 4.6mm; Lead Dia. 0.5 mm (max)", PackageReference=E3, PackageVersion=1995/1996, Published=8-Jun-2000, Publisher="Altium Limited"
R1 R2 R66 R67 R68 R69 R70 R71 R72 R73 R74 R75 R76 R77 R78 R79 R80 R81 R82 R83 R84 R85 R86 R87 R88 R89 R90 R91 R92: library part RES, "Resistor", Published=8-Jun-2000, Publisher="Altium Limited", Revision="July-2002: Re-released for DXP Platform."
R3 R4 R5 R6 R7 R8 R93 R94 R95 R96 R97 R98 R99 R100: library part Res2, "Resistor", LatestRevisionDate=17-Jul-2002, LatestRevisionNote="Re-released for DXP Platform.", PackageDescription="Axial Device, Thru-Hole; 2 Leads; 0.4 in Pin Spacing", PackageReference=AXIAL-0.4, Published=8-Jun-2000, Publisher="Altium Limited"
R9 R10 R11 R12 R13 R14 R15 R16 R17 R18 R19 R20 R21 R22 R23 R24 R25 R26 R27 R28 R29 R30 R31 R32 R33 R34 R35 R36 R37 R38 R39 R40 R41 R42 R43 R44 R45 R46 R47 R48 R49 R50 R51 R52 R53 R54 R55 R56 R57 R58 R59 R60 R61 R62 R63 R64 R65: library part RES1
RN1: library part Res_Network
U1: library part MCP4725A0T-E/CH, BOM_JLCPCB Part Class="Extended Part", BOM_Manufacturer=MICROCHIP, BOM_Manufacturer Part=MCP4725A0T-E/CH, BOM_Supplier=LCSC, BOM_Supplier Part=C144198, Contributor=LCSC, spicePre=U, spiceSymbolName=MCP4725A0T-E/CH
U9 U10 U11 U12 U13 U14 U15 U16: BOM_JLCPCB Part Class="Extended Part", BOM_Manufacturer=ISOCOM, BOM_Manufacturer Part=IS181GB, BOM_Supplier=LCSC, BOM_Supplier Part=C84196, spicePre=U, spiceSymbolName=IS181GB
U17 U18 U19: "High speed optocoupler"
U20: "8 channels Darlington"
U21: "No Description Available", Mfr_Name=Microchip, Copyright="Copyright (C) 2021 Ultra Librarian. All rights reserved.", Manufacturer_Part_Number=MCP23017-E/SS, RefDes=RefDes, Type=DEV

## Free pads (board coordinates)
  round 196.85 hole 118.11 paste+0 mask+0: 5(155,220) 5(155,5080) 5(7400,260) 5(7400,5060)

## Nets (pads, with @x,y where several pads share a name; then routed paths per layer and width w, separated by ;. In a path a pad name is that pad's centre, name@x,y a point inside that pad or via, vN(x,y) a via of type N, cw(c..) or ccw(c..) an arc to the next point about the centre after c; other vN are vias at no path point)
3V3: P5.48
4-20: JP1.1 R8.2
5V: C46.1 C47.2 L1.1 P5.46 U7.2
+12_RELY: C66.2 JK1.4 JK2.4 JK3.4 JK4.4 JK5.4 JK6.4 JK7.4 JK8.4 JP3.7 OC1.4 OC2.4 OC3.4 OC4.4 OC5.4 OC6.4 OC7.4 OC8.4 R69.1 R70.1 R71.1 R72.1 R73.1 R74.1 R75.1 R76.1 U20.10
A: C61.1 D2.2 JP3.2 R59.1 TVS9.1 U17.3
ANI0: JP1.3 R93.1 R95.2
ANI0_S: C69.2 C71.1 R95.1 U22.4
ANI1: JP1.4 R97.1 R99.1
ANI1_S: C71.2 C73.1 R97.2 U22.5
ANI2: JP1.5 R94.1 R96.2
ANI2_S: C70.2 C72.1 R96.1 U22.6
ANI3: JP1.6 R98.1 R100.1
ANI3_S: C72.2 C74.1 R98.2 U22.7
B: C63.1 D3.2 JP3.3 R62.1 TVS10.1 U18.3
BGND: C6.2 C7.2 C11.2 C12.2 C13.2 C15.2 C16.2 C17.2 C18.2 C19.2 C20.2 C21.2 C24.2 C25.2 C26.2 C27.2 C31.2 C32.2 C33.2 C34.2 C36.2 C37.2 C38.2 C39.2 C40.2 C41.2 C44.2 C45.2 C49.2 C50.2 C51.1 L2.1 P1.4 P2.4 P3.4 P4.4 U3.10 U3.11 U4.10 U4.11 U5.10 U5.11 U6.10 U6.11 U8.1
BVCC: C11.1 C12.1 C13.1 C15.1 C16.1 C17.1 C31.1 C32.1 C33.1 C36.1 C37.1 C38.1 C50.1 C51.2 P1.3 P2.3 P3.3 P4.3 U3.9 U3.13 U4.9 U4.13 U5.9 U5.13 U6.9 U6.13 U8.3
COMX0: JP3.5 R57.2 R60.2 R63.2 TVS9.2 TVS10.2 TVS11.2
CS: RN1.2 U22.2
DUL1: OC1.3 R67.1 U20.1
DUL2: OC2.3 R77.1 U20.2
DUL3: OC3.3 R79.1 U20.3
DUL4: OC4.3 R81.1 U20.4
DUL5: OC5.3 R83.1 U20.5
DUL6: OC6.3 R85.1 U20.6
DUL7: OC7.3 R87.1 U20.7
DUL8: OC8.3 R89.1 U20.8
ENET1_CRS_DV: P5.36 U18.6
ENET1_RXD0: P5.37 U17.6
ENET1_RXD1: P5.34 U19.6
ENET1_RXER: P5.41 U5.2
ENET1_TX_CLK: P5.40 U4.2
ENET1_TXD0: P5.32
ENET1_TXD1: P5.39
ENET1_TXEN: P5.38 U6.2
GND: C1.2 C2.1 C3.2 C4.1 C5.2 C10.2 C14.2 C30.2 C35.2 C46.2 C47.1 C48.2 C60.1 C62.1 C64.1 C67.1 C68.1 C69.1 C70.1 C73.2 C74.2 JP1.2 L2.2 P5.47 R6.2 R7.1 U1.2 U1.6 U2.9 U2.10 U2.11 U3.12 U4.12 U5.12 U6.12 U7.1 U9.3 U10.3 U11.3 U12.3 U13.3 U14.3 U15.3 U16.3 U17.5 U18.5 U19.5 U21.10 U21.15 U21.16 U22.3
GND_RELY: C66.1 JP3.6 R67.2 R77.2 R79.2 R81.2 R83.2 R85.2 R87.2 R89.2 U20.9
GPA0: OC1.2 U21.21
GPA1: OC2.2 U21.22
GPA2: OC3.2 U21.23
GPA3: OC4.2 U21.24
GPA4: OC5.2 U21.25
GPA5: OC6.2 U21.26
GPA6: OC7.2 U21.27
GPA7: OC8.2 U21.28
GPB0: R27.2 U9.4 U21.1
GPB1: R30.2 U10.4 U21.2
GPB2: R35.2 U11.4 U21.3
GPB3: R38.2 U12.4 U21.4
GPB4: R43.2 U13.4 U21.5
GPB5: R46.2 U14.4 U21.6
GPB6: R51.2 U15.4 U21.7
GPB7: R55.2 U16.4 U21.8
GPIO_1: P5.7
GPIO_2: P5.9
GPIO_4: P5.10
GPIO_6: P5.16
GPIO_7: P5.15
GPIO_8: P5.14
GPIO_9: P5.11
I2C1_SCL: R1.1 U1.5
I2C1_SDA: R2.1 U1.4
JTAG_MOD: P5.31
JTAG_nTRST: P5.30
JTAG_TCK: P5.28
JTAG_TDI: P5.26
JTAG_TDO: P5.27
JTAG_TMS: P5.29
M: C52.2 C53.1 C54.1 C55.1 C56.1 C57.1 C58.1 C59.1 JP3.1 R31.1 R32.1 R39.1 R40.1 R47.1 R48.1 R52.1 R56.1 TVS1.1 TVS2.1 TVS3.1 TVS4.1 TVS5.1 TVS6.1 TVS7.1 TVS8.1 U9.2 U10.2 U11.2 U12.2 U13.2 U14.2 U15.2 U16.2
MISO: RN1.4 U22.9
MOSI: RN1.3 U22.10
NC: U17.1 U17.4 U18.1 U18.4 U19.1 U19.4
NetC3_1: C3.1 R4.1 U2.6
NetC5_1: C5.1 Q2.1 R8.1
NetC6_1: C6.1 C8.1 P1.1 R9.1
NetC7_1: C7.1 C9.1 P2.1 R10.1
NetC8_2: C8.2 C18.1 P1.2 R11.1
NetC9_2: C9.2 C19.1 P2.2 R12.1
NetC20_1: C20.1 C22.1 P1.5 R13.1
NetC21_1: C21.1 C23.1 P2.5 R14.1
NetC22_2: C22.2 C24.1 P1.6 R15.1
NetC23_2: C23.2 C25.1 P2.6 R16.1
NetC26_1: C26.1 C28.1 P3.1 R17.1
NetC27_1: C27.1 C29.1 P4.1 R18.1
NetC28_2: C28.2 C34.1 P3.2 R19.1
NetC29_2: C29.2 C39.1 P4.2 R20.1
NetC40_1: C40.1 C42.1 P3.5 R21.1
NetC41_1: C41.1 C43.1 P4.5 R22.1
NetC42_2: C42.2 C44.1 P3.6 R23.1
NetC43_2: C43.2 C45.1 P4.6 R24.1
NetC49_1: C49.1 L1.2 U8.2
NetC52_1: C52.1 R25.2 R26.1 R31.2
NetC53_2: C53.2 R28.2 R29.1 R32.2
NetC54_2: C54.2 R33.2 R34.1 R39.2
NetC55_2: C55.2 R36.2 R37.1 R40.2
NetC56_2: C56.2 R41.2 R42.1 R47.2
NetC57_2: C57.2 R44.2 R45.1 R48.2
NetC58_2: C58.2 R49.2 R50.1 R52.2
NetC59_2: C59.2 R53.2 R54.1 R56.2
NetC61_2: C61.2 D2.1 R57.1 R59.2 U17.2
NetC63_2: C63.2 D3.1 R60.1 R62.2 U18.2
NetC65_2: C65.2 D4.1 R63.1 R65.2 U19.2
NetC68_2: C68.2 R92.1 U21.18
NetD5_1: D5.1 R69.2
NetD6_1: D6.1 R70.2
NetD7_1: D7.1 R71.2
NetD8_1: D8.1 R72.2
NetD9_1: D9.1 R73.2
NetD10_1: D10.1 R74.2
NetD11_1: D11.1 R75.2
NetD12_1: D12.1 R76.2
NetJK1_1: JK1.1 JP10.1
NetJK1_2: JK1.2 JP10.2
NetJK1_5: JK1.5 JP10.3
NetJK2_1: JK2.1 JP10.4
NetJK2_2: JK2.2 JP10.5
NetJK2_5: JK2.5 JP10.6
NetJK3_1: JK3.1 JP10.7
NetJK3_2: JK3.2 JP10.8
NetJK3_5: JK3.5 JP10.9
NetJK4_1: JK4.1 JP10.10
NetJK4_2: JK4.2 JP10.11
NetJK4_5: JK4.5 JP10.12
NetJK5_1: JK5.1 JP11.1
NetJK5_2: JK5.2 JP11.2
NetJK5_5: JK5.5 JP11.3
NetJK6_1: JK6.1 JP11.4
NetJK6_2: JK6.2 JP11.5
NetJK6_5: JK6.5 JP11.6
NetJK7_1: JK7.1 JP11.7
NetJK7_2: JK7.2 JP11.8
NetJK7_5: JK7.5 JP11.9
NetJK8_1: JK8.1 JP11.10
NetJK8_2: JK8.2 JP11.11
NetJK8_5: JK8.5 JP11.12
NetOC1_1: OC1.1 R66.1
NetOC2_1: OC2.1 R68.1
NetOC3_1: OC3.1 R78.1
NetOC4_1: OC4.1 R80.1
NetOC5_1: OC5.1 R82.1
NetOC6_1: OC6.1 R84.1
NetOC7_1: OC7.1 R86.1
NetOC8_1: OC8.1 R88.1
NetQ1_1: Q1.1 Q2.2 U2.3
NetQ1_2: Q1.2 Q2.3 R3.2
NetQ1_3: Q1.3 R3.1 U2.2
NetR9_2: R9.2 U3.8
NetR10_2: R10.2 U4.8
NetR11_2: R11.2 R13.2 U3.6 U3.7
NetR12_2: R12.2 U4.7
NetR14_2: R14.2 U4.6
NetR15_2: R15.2 U3.5
NetR16_2: R16.2 U4.5
NetR17_2: R17.2 U5.8
NetR18_2: R18.2 U6.8
NetR19_2: R19.2 U5.7
NetR20_2: R20.2 U6.7
NetR21_2: R21.2 U5.6
NetR22_2: R22.2 U6.6
NetR23_2: R23.2 U5.5
NetR24_2: R24.2 U6.5
NetR26_2: R26.2 U9.1
NetR29_2: R29.2 U10.1
NetR34_2: R34.2 U11.1
NetR37_2: R37.2 U12.1
NetR42_2: R42.2 U13.1
NetR45_2: R45.2 U14.1
NetR50_2: R50.2 U15.1
NetR54_2: R54.2 U16.1
NetR90_1: R90.1 U21.13
NetR91_1: R91.1 U21.12
ON_OFF: P5.2
REGF: C4.2 R1.2 R2.2 R5.1 R93.2 R94.2 R99.2 R100.2 U1.3 U2.5 U22.8
REGS: R5.2 R6.1 U2.4
RELY1: D5.2 JK1.3 U20.18
RELY2: D6.2 JK2.3 U20.17
RELY3: D7.2 JK3.3 U20.16
RELY4: D8.2 JK4.3 U20.15
RELY5: D9.2 JK5.3 U20.14
RELY6: D10.2 JK6.3 U20.13
RELY7: D11.2 JK7.3 U20.12
RELY8: D12.2 JK8.3 U20.11
SCLK: RN1.1 U22.1
SET: R7.2 U2.7
SNVS_TAMPER0: P5.3 RN1.7
SNVS_TAMPER2: P5.8 RN1.8
SNVS_TAMPER4: P5.1
SNVS_TAMPER5: P5.6 RN1.6
SNVS_TAMPER7: P5.5
SNVS_TAMPER8: P5.4 RN1.5
UAR4_RXD: P5.42
UART1_TXD: P5.12 P5.13
UART2_CTS: P5.20 U3.16 U4.16 U5.16 U6.16
UART2_RTS: P5.19 U3.15 U4.15 U5.15 U6.15
UART2_RXD: P5.18 U3.1 U4.1 U5.1 U6.1
UART2_TXD: P5.17 U3.2
UART3_CTS: P5.21
UART3_RTS: P5.22
UART3_RXD: P5.35
UART3_TXD: P5.33
UART4_TXD: P5.43
UART5_RXD: P5.44
UART5_TXD: P5.45
VCC: C10.1 C14.1 C30.1 C35.1 C48.1 C60.2 C62.2 C64.2 C67.2 JP3.8 R27.1 R30.1 R35.1 R38.1 R43.1 R46.1 R51.1 R55.1 R58.1 R61.1 R64.1 R66.2 R68.2 R78.2 R80.2 R82.2 R84.2 R86.2 R88.2 R90.2 R91.2 R92.2 U3.14 U4.14 U5.14 U6.14 U7.3 U21.9 U21.17
VCC15V: C1.1 C2.2 U2.1
Vout: R4.2 U1.1
X10: JP2.1 R25.1 TVS1.2
X11: JP2.2 R33.1 TVS3.2
X12: JP2.3 R41.1 TVS5.2
X13: JP2.4 R49.1 TVS7.2
X14: JP2.5 R28.1 TVS2.2
X15: JP2.6 R36.1 TVS4.2
X16: JP2.7 R44.1 TVS6.2
X17: JP2.8 R53.1 TVS8.2
XC00: R58.2 U17.8
XC01: R61.2 U18.8
XC02: R64.2 U19.8
Z: C65.1 D4.2 JP3.4 R65.1 TVS11.1 U19.3
pads on no net: JP1.7 JP1.8 P5.23 P5.24 P5.25 P5.49 P5.50 U2.8 U3.3 U3.4 U4.3 U4.4 U5.3 U5.4 U6.3 U6.4 U17.7 U18.7 U19.7 U21.11 U21.14 U21.19 U21.20

## Silkscreen, mask and mechanical layers (free items; w line width, h text height)
Top Solder:
  the board outline again, w10

## Text inside footprints (layer, text, board x,y; h text height)
U21: Top Overlay "*" at 1936.66,2487.48 h50 r90; Mechanical 13 "*" at 1961.31,2545.07 h50 r90